# Altium PCB M2FS FLS Data Formatter 8_14_2012.PcbDoc (part 1 of 3) (continued)
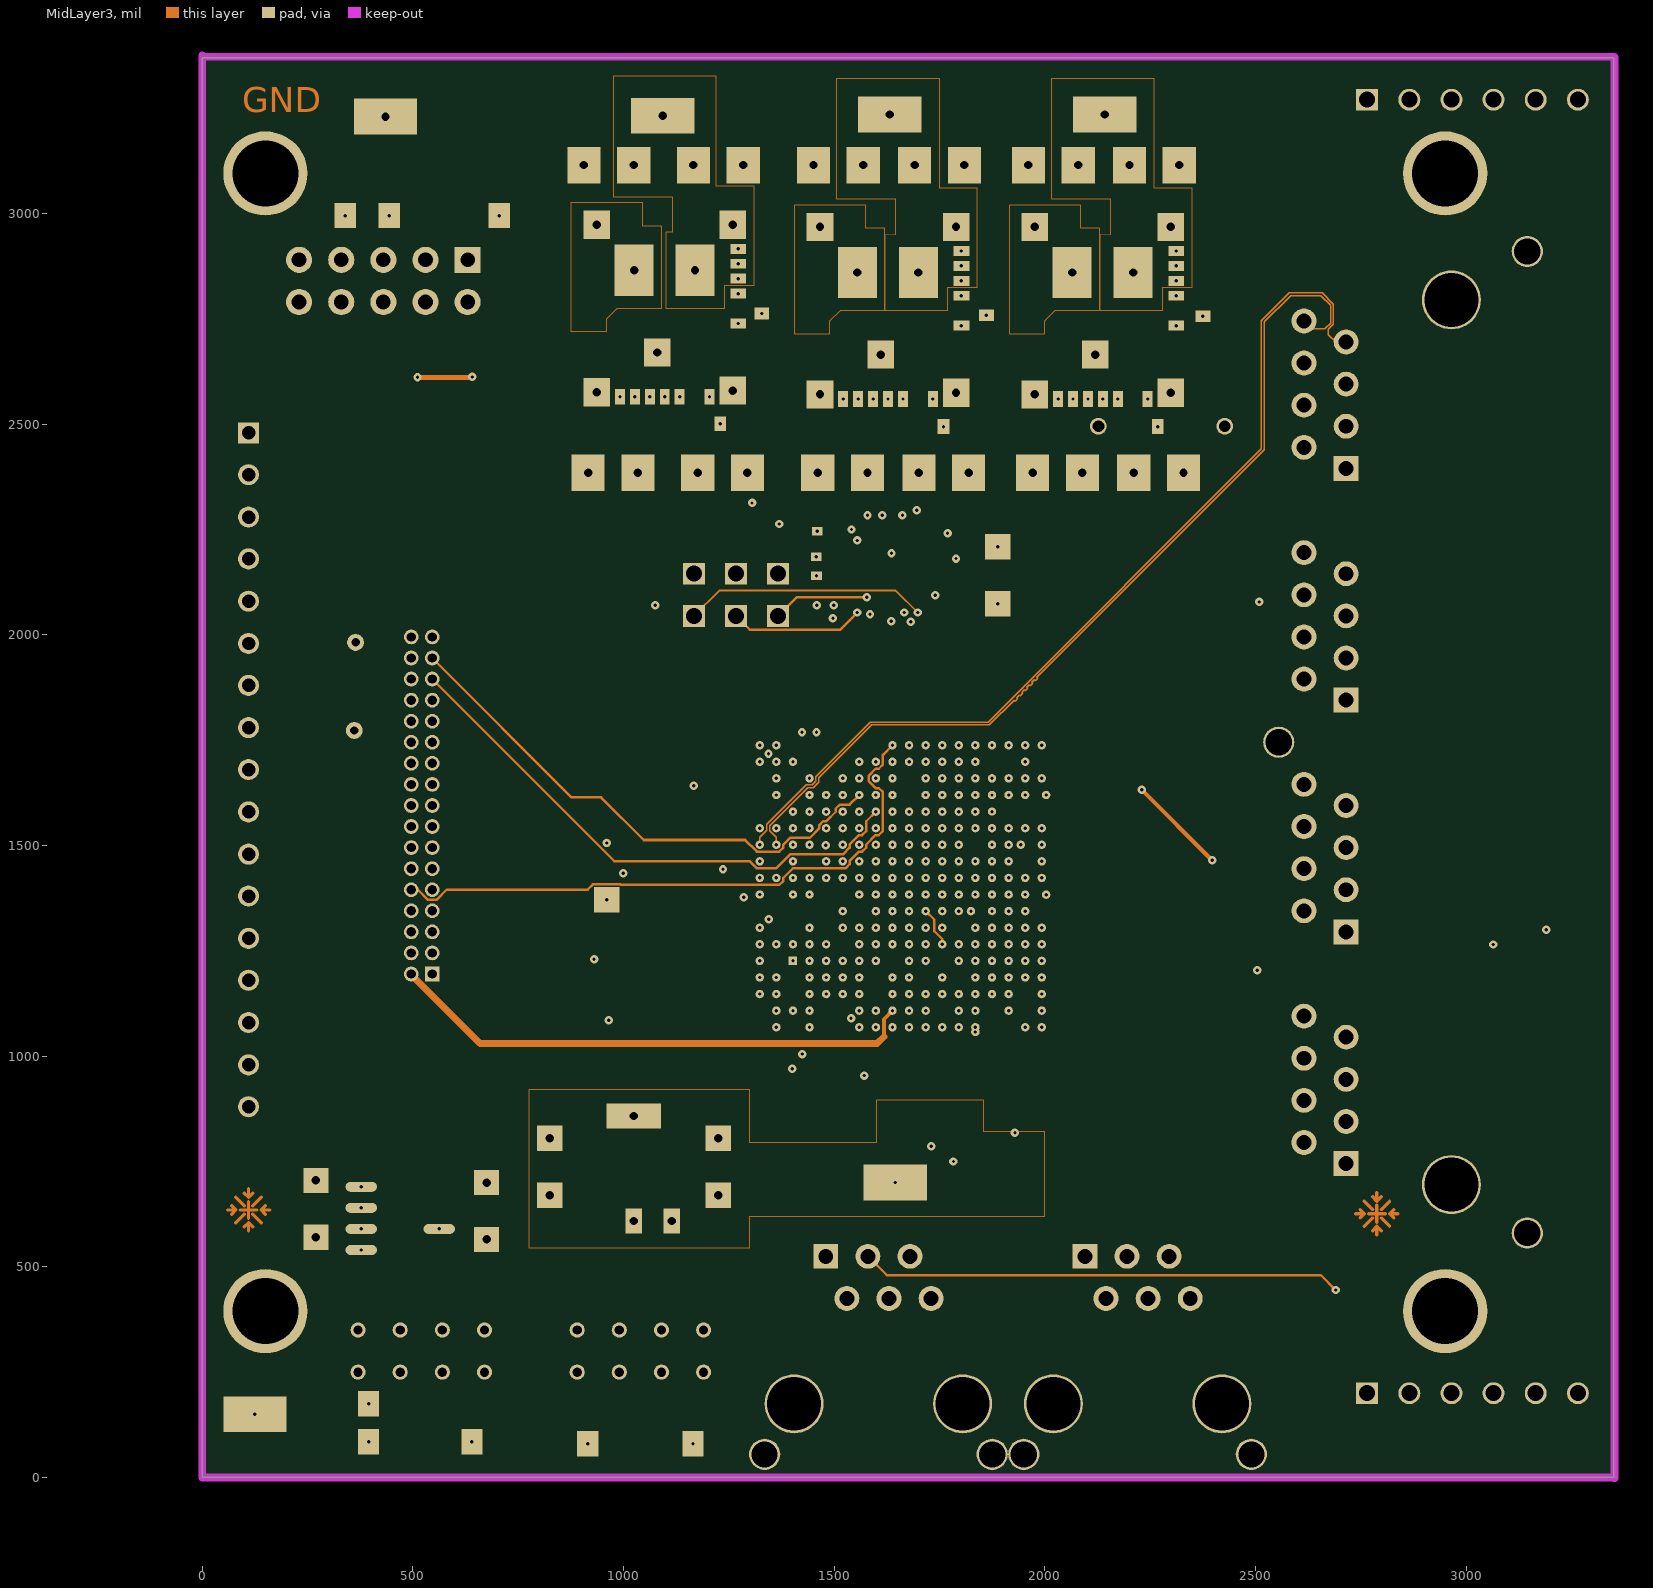
[diagram p5: MidLayer3]
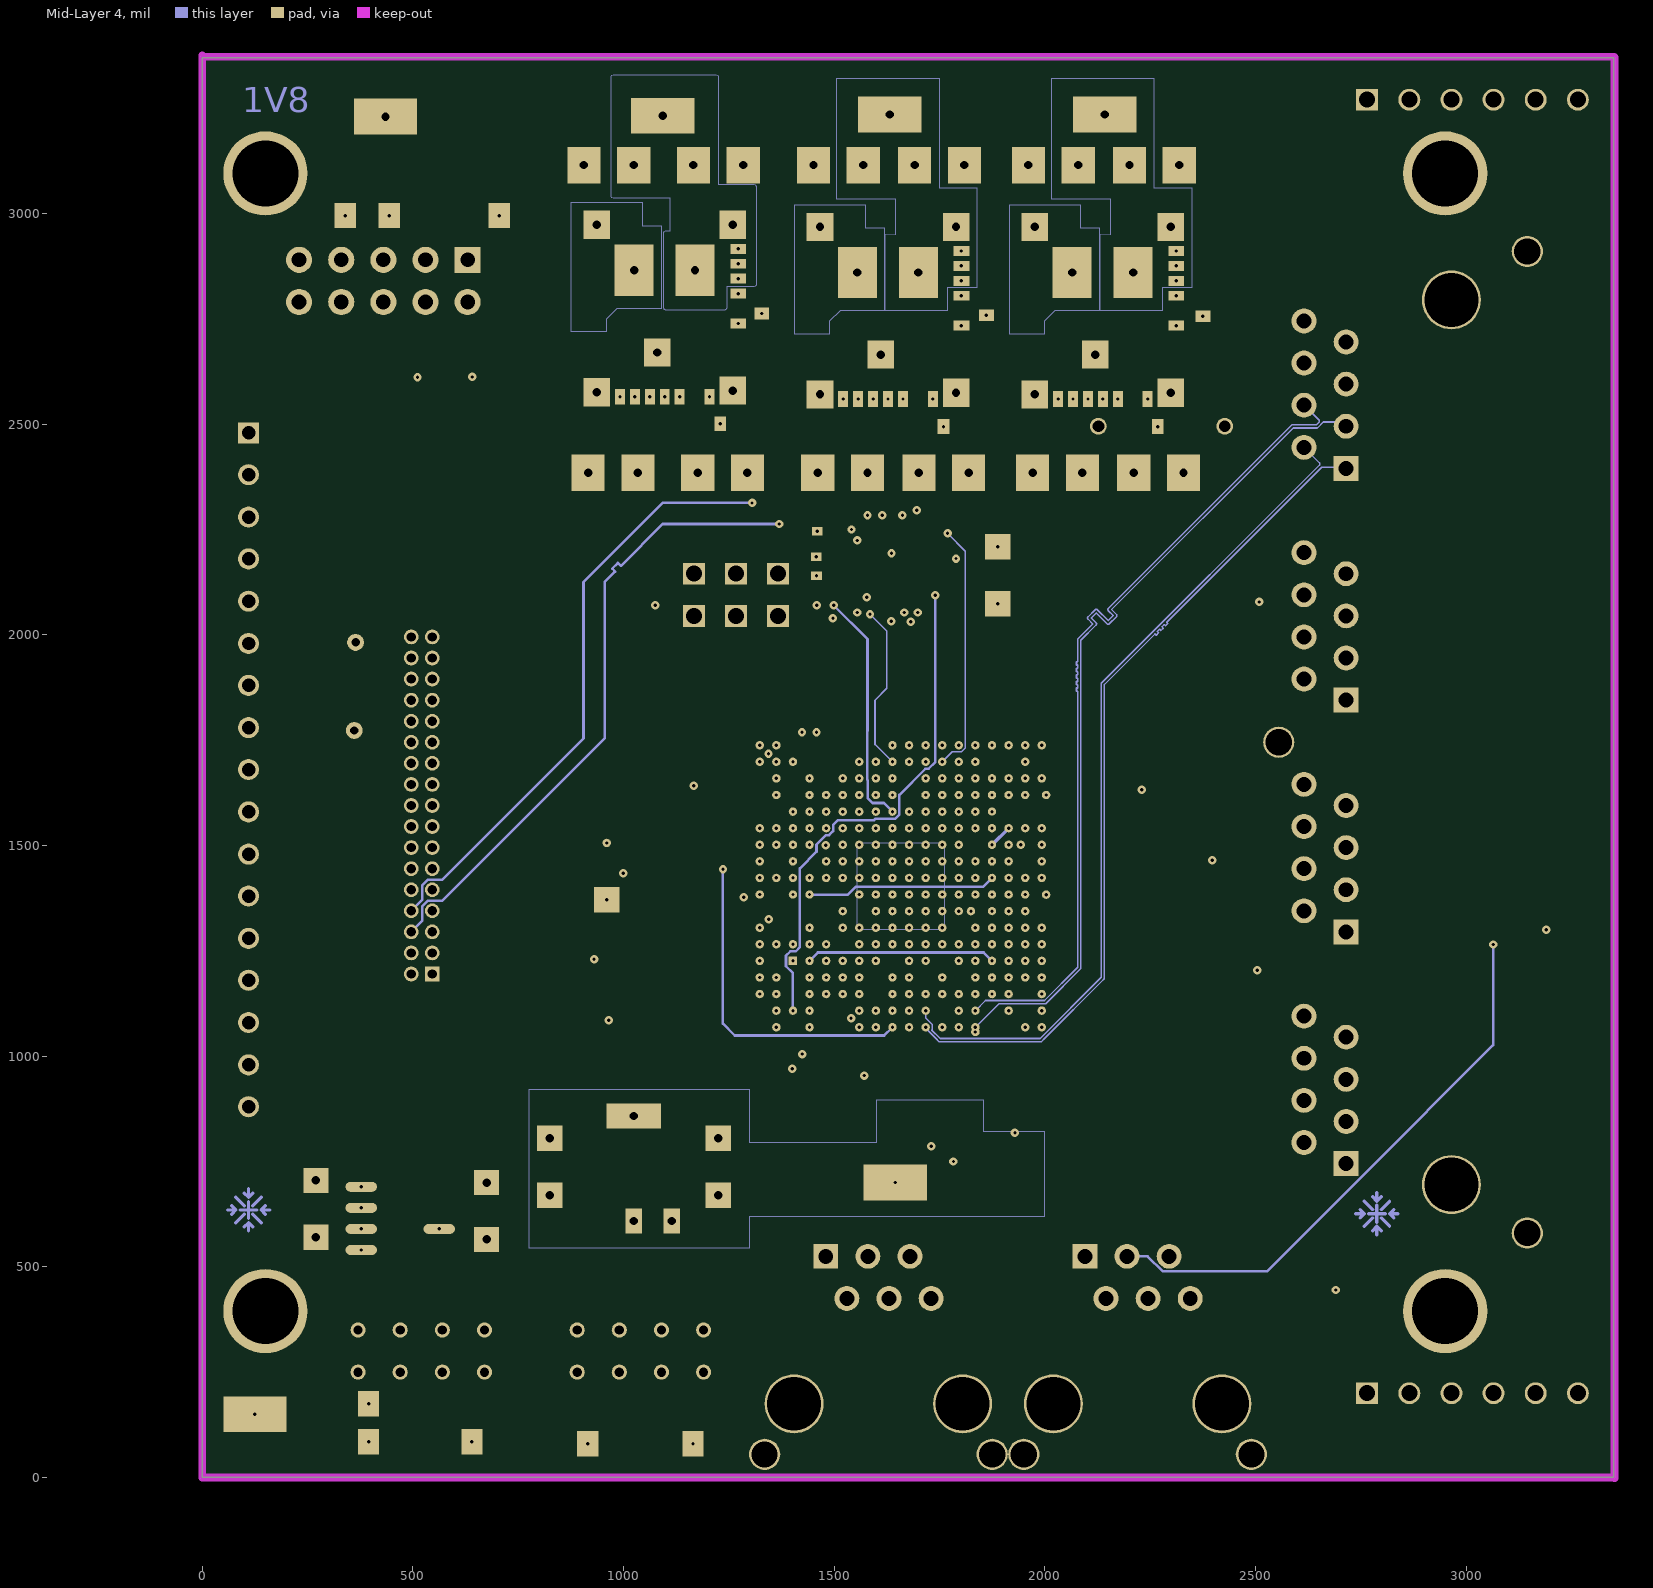
[diagram p6: Mid-Layer 4]
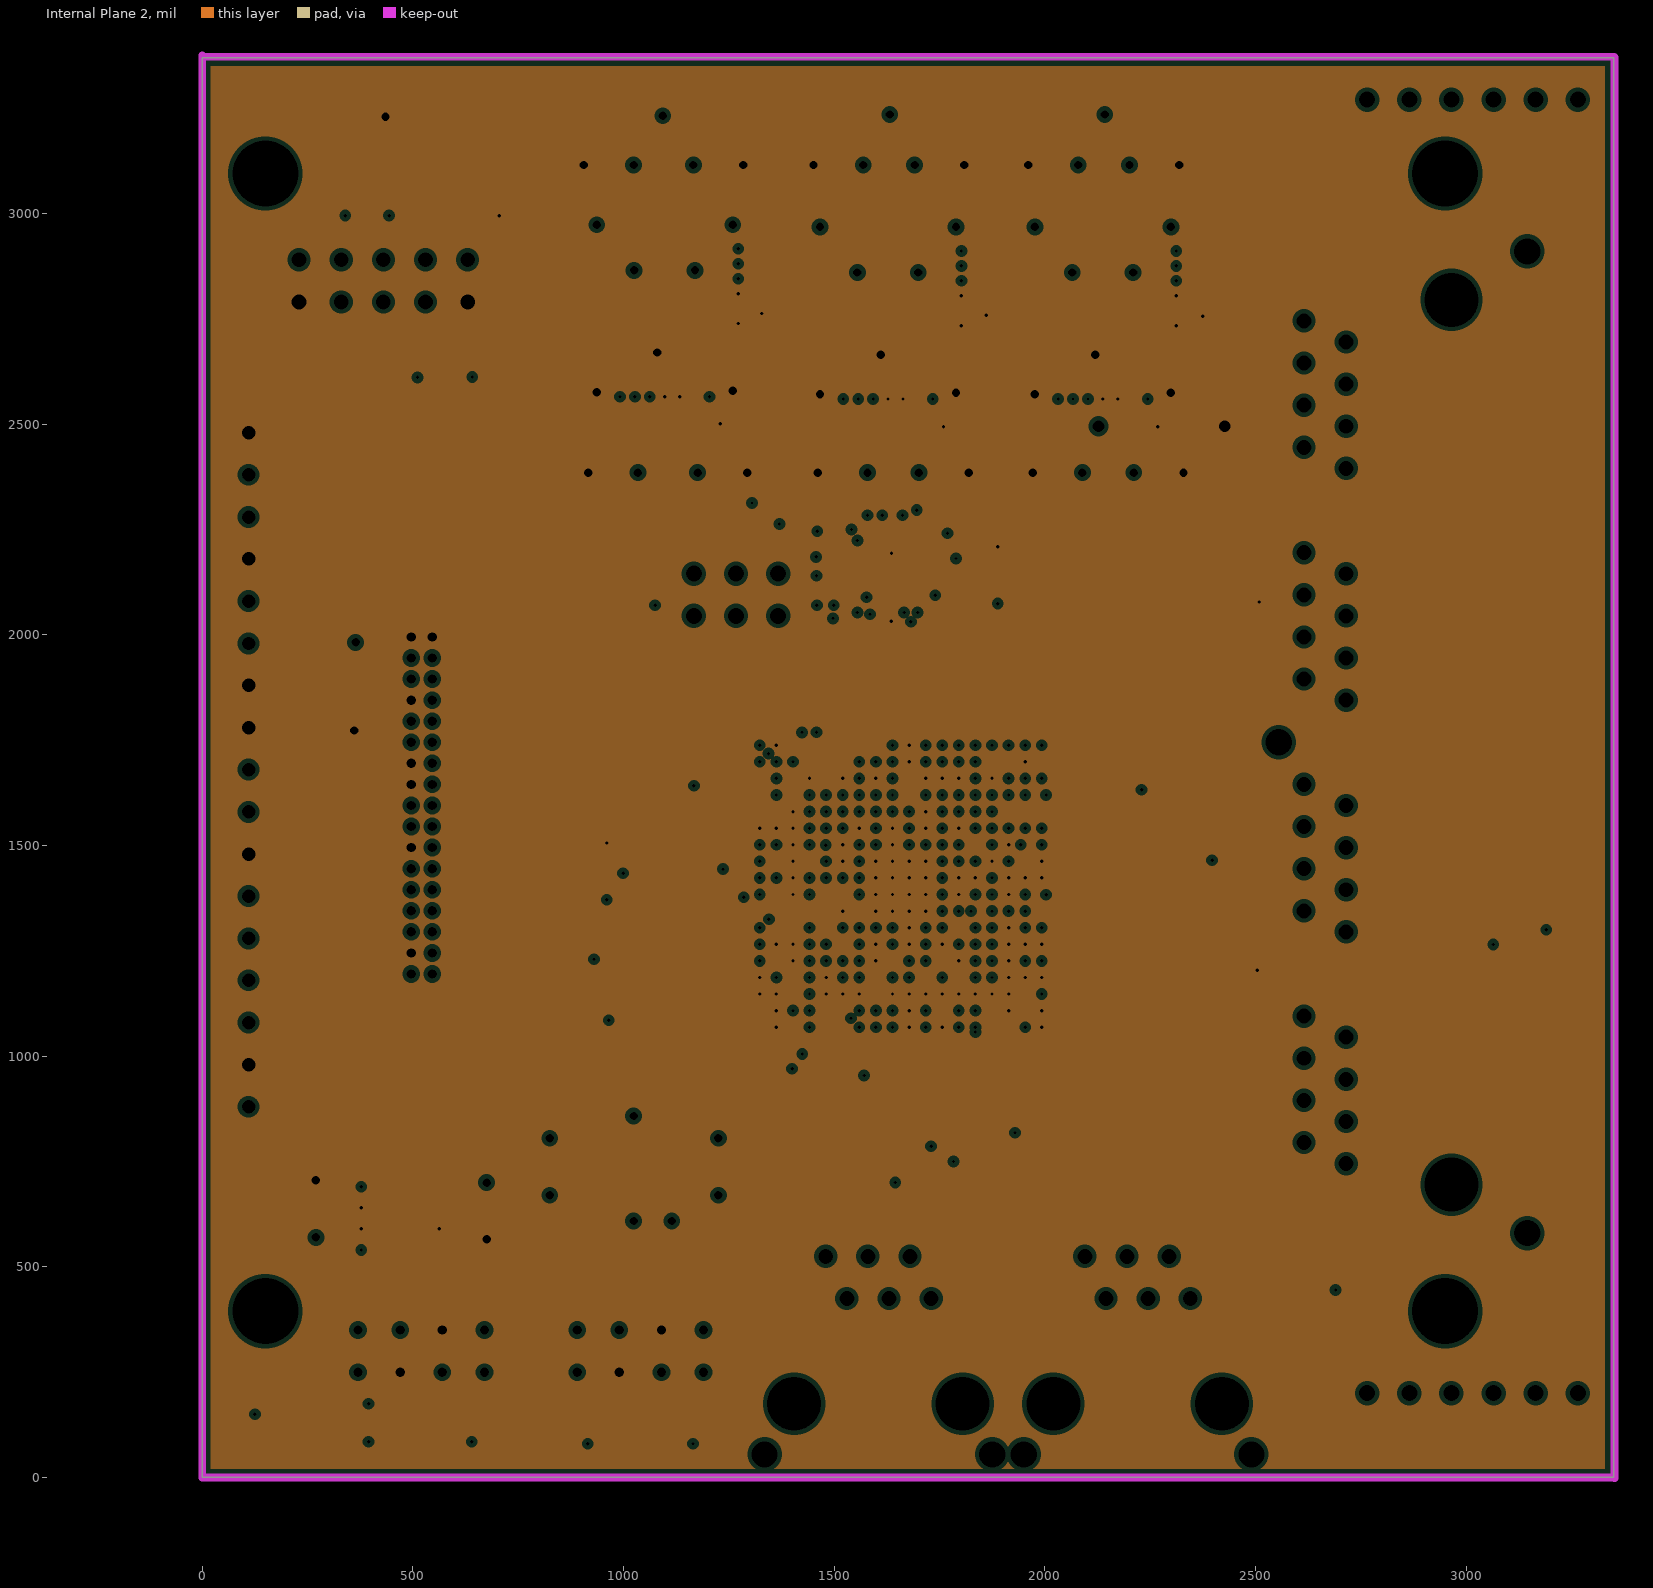
[diagram p7: Internal Plane 2, clearances drawn from the general rule]

## Layer stack, top to bottom
Top Layer: signal copper 1.4
Dielectric: prepreg 5.9, FR-4, Dk 4.2
Internal Plane 1: plane copper 1.4, net 5V0
Dielectric: core 9, FR-4, Dk 4.2
Mid-Layer 1: signal copper 1.4
Dielectric: prepreg 7.3, FR-4, Dk 4.2
Mid-Layer 2: signal copper 1.4
Dielectric: core 5.1, FR-4, Dk 4.2
MidLayer3: signal copper 1.4
Dielectric: prepreg 7.3, FR-4, Dk 4.2
Mid-Layer 4: signal copper 1.4
Dielectric: core 9, FR-4, Dk 4.2
Internal Plane 2: plane copper 1.4, net GND
Dielectric: prepreg 5.9, FR-4, Dk 4.2
Bottom Layer: signal copper 1.4

## Board outline
0,0 3350,0 3350,3370 0,3370

## Design rules (kind name [scope] priority, off if disabled: settings)
AssemblyTestpoint [(IsPad And (OnTopLayer Or OnBottomLayer)) Or (IsVia) Or (IsPad And OnMultiLayer)] p1: testpointundercomponent=TRUE minsize=10 maxsize=100 preferedsize=60 minholesize=0 maxholesize=40 preferedholesize=32 testpointgrid=1 usegrid=TRUE gridtolerance=0.01 allowsidebottom=TRUE
Clearance "Stitching GND" [IsStitchingVia and InNet('GND') vs (IsVia and (Not IsStitchingVia)) Or IsPad] p1: gap=50
Clearance Clearance_1 [OnLayer('Top Layer') or OnLayer('BottomLayer')] p2: gap=4
Clearance [All] p3: gap=3.5
ComponentClearance [All] p1: gap=0 collisioncheckmode=3 verticalgap=0 showdistances=FALSE
DiffPairsRouting [(InDifferentialPairClass('All Differential Pairs'))] p1: maxlimit=10 minlimit=3.5 mostfreqgap=3.5 toplayer_prefgap=4 bottomlayer_prefgap=4 maxuncoupledlength=100
HoleSize [All] p1: absolutevalues=TRUE maxlimit=250 minlimit=1 maxpercent=80.000 minpercent=20.000
HoleToHoleClearance [All] p1: gap=6 allowstackedmicrovias=TRUE
Length All [All] p1: maxlimit=12000 minlimit=0
MatchedLengths MatchedLengths_3 [InNetClass('CAMLINES')] p1: tolerance=10 checknetsindiffpair=TRUE checkdiffpairvsdiffpair=TRUE checkothers=TRUE
MatchedLengths MatchedLengths_2 [InNetClass('Match Lengths 1')] p2: tolerance=10 checknetsindiffpair=TRUE checkdiffpairvsdiffpair=TRUE checkothers=TRUE
MatchedLengths MatchedLengths_1 [InNetClass('Match Lengths') or InDifferentialPairClass('Match Lengths')] p3: tolerance=10 checknetsindiffpair=TRUE checkdiffpairvsdiffpair=TRUE checkothers=TRUE
MatchedLengths [InNetClass('LVDS')] p4: tolerance=500 checknetsindiffpair=TRUE checkdiffpairvsdiffpair=TRUE checkothers=TRUE
MinimumAnnularRing [All] p1: minimumring=3
MinimumSolderMaskSliver [All] p1: minsoldermaskwidth=0.1
PlaneClearance [All] p1: clearance=10
PlaneConnect PlaneConnect_2 [(InNet('GND') AND InComponent('U2') AND HasFootprint('FBGA324'))] p1: planeconnectstyle=Relief reliefexpansion=5 reliefentries=4 reliefconductorwidth=10 reliefairgap=5
PlaneConnect PlaneConnect_1 [(InNet('5V0') AND HasFootprint('CON34_.05X.05'))] p2: planeconnectstyle=Relief reliefexpansion=5 reliefentries=4 reliefconductorwidth=10 reliefairgap=5
PlaneConnect [All] p3: planeconnectstyle=Relief reliefexpansion=5 reliefentries=4 reliefconductorwidth=10 reliefairgap=5
PolygonConnect [All] p1: connectstyle=Relief reliefconductorwidth=5 reliefentries=4 polygonreliefangle="90 Angle" airgapwidth=5
RoutingVias [All] p1: holewidth=8 width=20 viastyle="Through Hole" minholewidth=8 minwidth=20 maxholewidth=40 maxwidth=60
SilkToSilkClearance [All] p1: silktosilkclearance=1
SilkscreenOverComponentPads [All] p1: minsilkscreentomaskgap=1
SolderMaskExpansion SolderMaskExpansion_1 [All] p1: expansion=4
Width "Differential Width" [InDifferentialPairClass('All Differential Pairs')] p1: maxlimit=16.48 minlimit=3.5 preferedwidth=3.83 toplayer_minwidth=4 toplayer_maxwidth=7.94 toplayer_prefwidth=4.55 midlayer1_maxwidth=9.9 midlayer2_prefwidth=3.5 midlayer3_prefwidth=3.5 midlayer4_maxwidth=9.9 bottomlayer_minwidth=4 bottomlayer_maxwidth=7.94 bottomlayer_prefwidth=4.55 minimp=50.000000 maximp=80.000000 favimp=50.000000
Width Width_All [All] p2: maxlimit=60 minlimit=3.5 preferedwidth=6 toplayer_minwidth=4 bottomlayer_minwidth=4 minimp=50.000000 maximp=50.000000 favimp=50.000000
Width "Width Power" [All] p3: maxlimit=50 minlimit=6 preferedwidth=50
18 further rules are at their usual default settings.

## Classes and differential pairs
net class CAMLINES: CAM_D0 CAM_D1 CAM_D2 CAM_D3 CAM_D4 CAM_D5 CAM_D6 CAM_D7 CAM_D8 CAM_D9 CAM_D10 CAM_D11 CAM_PCLK
differential pair class "Match Lengths": DATA_CLK_OUT_A DATA_CLK_OUT_B FRAME_CLK_OUT_A FRAME_CLK_OUT_B LVDS_CHANNEL_1 LVDS_CHANNEL_2 LVDS_CHANNEL_3 LVDS_CHANNEL_4 LVDS_CHANNEL_5 LVDS_CHANNEL_6 LVDS_CHANNEL_7 LVDS_CHANNEL_8
net class "Match Lengths 1": SYS_CLK1_N SYS_CLK1_P SYS_CLK2_N SYS_CLK2_P
net class "Match Lengths": DATA_CLK_OUT_A_N DATA_CLK_OUT_A_P DATA_CLK_OUT_B_N DATA_CLK_OUT_B_P FRAME_CLK_OUT_A_N FRAME_CLK_OUT_A_P FRAME_CLK_OUT_B_N FRAME_CLK_OUT_B_P LVDS_CHANNEL_1_N LVDS_CHANNEL_1_P LVDS_CHANNEL_2_N LVDS_CHANNEL_2_P LVDS_CHANNEL_3_N LVDS_CHANNEL_3_P LVDS_CHANNEL_4_N LVDS_CHANNEL_4_P LVDS_CHANNEL_5_N LVDS_CHANNEL_5_P LVDS_CHANNEL_6_N LVDS_CHANNEL_6_P LVDS_CHANNEL_7_N LVDS_CHANNEL_7_P LVDS_CHANNEL_8_N LVDS_CHANNEL_8_P
component class "Power Supply": C1 C2 C3 C4 C5 C6 C7 C8 C9 C10 C11 C12 C59 C60 C61 C62 R1 R2 R3 R4 R5 R6 R7 U1 U3 U4 U6 U7
component class "M2FS FLS Data Formatter 8_14_2012": C13 C14 C15 C16 C17 C18 C19 C20 C21 C22 C23 C24 C25 C26 C27 C28 C29 C30 C31 C32 C33 C34 C35 C36 C37 C38 C39 C40 C41 C42 C43 C44 C45 C46 C47 C48 C49 C50 C51 C52 C53 C54 C55 C56 J1 J2 J3 J4 J5 L1 L2 logo1 logo2 logo3 logo4 P1 P2 Q1 Q2 R8 R9 R10 R11 R12 R13 R14 R15 R16 R17 R18 R19 R20 R21 R22 R23 R24 R25 R26 R27 R30 R31 R32 R33 R34 "TEST POINT 1" "TEST POINT 2" "TEST POINT 3" "TEST POINT 5" "TEST POINT 6" "TEST POINT 7" "TEST POINT 9" "TEST POINT 10" "TEST POINT 12" "TEST POINT 13" "TEST POINT 14" TP1 TP5 TP6 TP7 TP8 TP9 TP10 TP11 TP12 U2 U5
net class LVDS: DATA_CLK_OUT_A_N DATA_CLK_OUT_A_P DATA_CLK_OUT_B_N DATA_CLK_OUT_B_P FRAME_CLK_OUT_A_N FRAME_CLK_OUT_A_P FRAME_CLK_OUT_B_N FRAME_CLK_OUT_B_P LVDS_CHANNEL_1_N LVDS_CHANNEL_1_P LVDS_CHANNEL_2_N LVDS_CHANNEL_2_P LVDS_CHANNEL_3_N LVDS_CHANNEL_3_P LVDS_CHANNEL_4_N LVDS_CHANNEL_4_P LVDS_CHANNEL_5_N LVDS_CHANNEL_5_P LVDS_CHANNEL_6_N LVDS_CHANNEL_6_P LVDS_CHANNEL_7_N LVDS_CHANNEL_7_P LVDS_CHANNEL_8_N LVDS_CHANNEL_8_P START_A_N START_A_P START_B_N START_B_P SYS_CLK1_N SYS_CLK1_P SYS_CLK2_N SYS_CLK2_P
differential pair LVDS_CHANNEL_8: +LVDS_CHANNEL_8_P -LVDS_CHANNEL_8_N
differential pair LVDS_CHANNEL_7: +LVDS_CHANNEL_7_P -LVDS_CHANNEL_7_N
differential pair LVDS_CHANNEL_6: +LVDS_CHANNEL_6_P -LVDS_CHANNEL_6_N
differential pair LVDS_CHANNEL_5: +LVDS_CHANNEL_5_P -LVDS_CHANNEL_5_N
differential pair LVDS_CHANNEL_4: +LVDS_CHANNEL_4_P -LVDS_CHANNEL_4_N
differential pair LVDS_CHANNEL_3: +LVDS_CHANNEL_3_P -LVDS_CHANNEL_3_N
differential pair LVDS_CHANNEL_2: +LVDS_CHANNEL_2_P -LVDS_CHANNEL_2_N
differential pair LVDS_CHANNEL_1: +LVDS_CHANNEL_1_P -LVDS_CHANNEL_1_N
differential pair SYS_CLK2: +SYS_CLK2_P -SYS_CLK2_N
differential pair SYS_CLK1: +SYS_CLK1_P -SYS_CLK1_N
differential pair DATA_CLK_OUT_A: +DATA_CLK_OUT_A_P -DATA_CLK_OUT_A_N
differential pair DATA_CLK_OUT_B: +DATA_CLK_OUT_B_P -DATA_CLK_OUT_B_N
differential pair FRAME_CLK_OUT_A: +FRAME_CLK_OUT_A_P -FRAME_CLK_OUT_A_N
differential pair FRAME_CLK_OUT_B: +FRAME_CLK_OUT_B_P -FRAME_CLK_OUT_B_N
differential pair START_A: +START_A_P -START_A_N
differential pair START_B: +START_B_P -START_B_N

## Components (designator, comment, footprint, x,y, rotation, side; value= is the part's Value field where it differs from the comment)
C1 "100 uF" TC3528-1411 1225,3115 r0 top locked
C2 "100 uF" TC3528-1411 1750,3115 r0 top locked
C3 "100 uF" TC3528-1411 2260,3115 r0 top locked
C4 "47 uF" TC3528-1411 965,3115 r180 top locked
C5 "47 uF" TC3528-1411 1510,3115 r180 top locked
C6 "47 uF" TC3528-1411 2020,3115 r180 top locked
C7 "220uF" TC3528-1411 1235,2385 r0 top locked
C8 "220uF" TC3528-1411 1760,2385 r0 top locked
C9 "220uF" TC3528-1411 2270,2385 r0 top locked
C10 "47uF" TC3528-1411 975,2385 r180 top locked
C11 "47 uF" TC3528-1411 1520,2385 r180 top locked
C12 "47 uF" TC3528-1411 2030,2385 r180 top locked
C13 "100uF" 1206#1 1888,2209 r270 bottom locked
C14 "0.1uF" "0402 SLIM"#1 1874.54,1619.85 r90 bottom locked
C15 "0.1uF" "0402 SLIM"#1 1795.8,1619.85 r90 bottom locked
C16 "0.1uF" "0402 slim-B" 1717.06,1619.85 r90 bottom locked
C17 "0.1uF" "0402 SLIM"#1 1598.95,1619.85 r90 bottom locked
C18 "0.1uF" "0402 slim-B" 1520.2,1619.85 r90 bottom locked
C19 "0.1uF" "0402 SLIM"#1 1441.46,1619.85 r90 bottom locked
C20 "0.1uF" "0402 slim-B" 1874.54,1580.48 r0 bottom locked
C21 "0.1uF" "0402 SLIM"#1 1717.06,1501.74 r90 bottom locked
C22 "100uF" 1206#2 960,1506 r270 bottom locked
C23 "0.1uF" "0402 slim-B" 1677.69,1541.11 r180 bottom locked
C24 "0.1uF" "0402 SLIM"#1 1520.2,1541.11 r0 bottom locked
C25 "0.1uF" "0402 SLIM"#1 1441.46,1541.11 r180 bottom locked
C26 "0.1uF" "0402 SLIM"#1 1835.17,1541.11 r0 bottom locked
C27 "0.1uF" "0402 SLIM"#1 1677.69,1501.74 r180 bottom locked
C28 "0.1uF" "0402 slim-B" 1559.57,1501.74 r180 bottom locked
C29 "0.1uF" "0402 SLIM"#1 1441.46,1501.74 r180 bottom locked
C30 "0.1uF" "0402 slim-B" 1559.57,1462.37 r180 bottom locked
C31 "0.1uF" "0402 slim"#1 1924.54,1423 r180 bottom locked
C32 "0.1uF" "0402 slim-B" 1756.43,1423 r180 bottom locked
C33 "0.1uF" "0402 slim-B" 1559.57,1423 r0 bottom locked
C34 "0.1uF" "0402 SLIM"#1 1441.46,1423 r180 bottom locked
C35 "0.1uF" "0402 slim"#1 1863.91,1383.63 r0 bottom locked
C36 "0.1uF" "0402 SLIM"#1 1756.43,1383.63 r180 bottom locked
C37 "0.1uF" "0402 slim-B" 1559.57,1383.63 r0 bottom locked
C38 "0.1uF" "0402 SLIM"#1 1441.46,1383.63 r180 bottom locked
C39 "0.1uF" "0402 SLIM"#2 1638.32,1304.89 r90 bottom locked
C40 "0.1uF" "0402 slim-B" 1598.95,1304.89 r90 bottom locked
C41 "0.1uF" "0402 SLIM"#1 1520.2,1304.89 r90 bottom locked
C42 "0.1uF" "0402 SLIM"#1 1756.43,1344.26 r180 bottom locked
C43 "0.1uF" "0402 SLIM"#1 1441.46,1304.89 r180 bottom locked
C44 "0.1uF" "0402 SLIM"#3 1717.06,1304.89 r180 bottom locked
C45 "0.1uF" "0402 slim-B" 1756.43,1304.89 r270 bottom locked
C46 "0.1uF" "0402 SLIM"#1 1638.32,1265.52 r180 bottom locked
C47 "0.1uF" "0402 SLIM"#1 1441.46,1265.52 r180 bottom locked
C48 "0.1uF" "0402 SLIM"#1 1480.83,1265.52 r270 bottom locked
C49 "0.1uF" "0402 SLIM"#1 1835.17,1186.78 r135 bottom locked
C50 "0.1uF" "0402 SLIM"#4 1441.46,1226.15 r180 bottom locked
C51 "0.1uF" "0402 SLIM"#5 1874.54,1147.41 r90 bottom locked
C52 "0.1uF" "0402 SLIM"#1 1756.43,1186.78 r270 bottom locked
C53 "0.1uF" "0402 SLIM"#1 1677.69,1186.78 r270 bottom locked
C54 "0.1uF" "0402 SLIM"#1 1638.32,1186.78 r270 bottom locked
C55 "0.1uF" "0402 SLIM"#1 1559.57,1186.78 r270 bottom locked
C56 "0.1uF" "0402 SLIM"#1 1520.2,1186.78 r270 bottom locked
C59 "10uF" 1206#3 1225,670 r90 bottom locked
C60 "10uF" 1206#3 825,670 r90 bottom locked
C61 "10uF" 1206#3 270,570 r90 bottom locked
C62 "10uF" 1206#3 675,700 r270 bottom locked
J1 "RJ45 - JACK L" "5558503-1 Quad RJ45 Jack" 3390,505 r0 top locked
J2 "RJ-11 SINGLE" "RJ11 - 5555140-1" 1335,55 r0 top locked
J3 "RJ-11 SINGLE" "RJ11 - 5555140-1" 1950,55 r0 top locked
J4 "AVAGO" HFBR-2412Z 270,500 r270 top locked
J5 "AVAGO" HFBR-2412Z 790,500 r270 top locked
L1 "Inductor" 0805#1 1693,847.31 r0 top locked
L2 "Inductor" 0805#1 1459,846.31 r0 top locked
logo1 "logo" STARFLAKE 2788,626 r270 top locked
logo2 "logo" STARFLAKE 110,635 r0 top locked
logo3 "logo" STARFLAKE 2788,626 r90 bottom locked
logo4 "logo" STARFLAKE 110,635 r180 bottom locked
P1 "HEADER 5X2" HDR2X5 630,2890 r180 top locked
P2 "CAM_PORT" CON34_.05X.05 546,1195 r180 top locked
Q1 "BSN20" SOT23 1040,125 r180 bottom locked
Q2 "BSN20" SOT23 515,125 r180 bottom locked
R1 "715K" J1-0603 1328,2733 r90 top locked
R2 "348K" J1-0603 1861,2729 r90 top locked
R3 "348K" J1-0603 2375,2727 r90 top locked
R4 "2.87K" J1-0603 1200,2501 r0 top locked
R5 "673" "RES 0.3 x 0.025" 2427,2495 r180 top locked
R6 "1.15K" J1-0603 1730,2494 r0 top locked
R7 "673" J1-0603 2238,2494 r0 top locked
R8 "10K" "0402 SLIM"#6 1508,2140 r180 top locked
R9 "10K" "0402 SLIM"#7 1457,2185 r0 top locked
R10 "10K" 6-0805 668,2995 r180 bottom locked
R11 "10K" 6-0805 481,2995 r0 bottom locked
R12 "10K" 6-0805 302,2995 r180 bottom locked
R13 "100" "0402 SLIM"#8 2003,1619.85 r180 bottom locked
R14 "100" "0402 SLIM"#9 1992.65,1501.74 r180 bottom locked
R15 "100" "0402 SLIM"#1 1835.17,1462.37 r180 bottom locked
R16 "100" "0402 SLIM"#10 2003,1383.31 r180 bottom locked
R17 "100" "0402 one-of" 1953.28,1304.89 r135 bottom locked
R18 "100" "0402 SLIM"#11 2003.3,1344.31 r180 bottom locked
R19 "100" "0402 SLIM"#9 1874.54,1344.26 r180 bottom locked
R20 "100" "0402 SLIM"#11 1796,1294.31 r90 bottom locked
R21 "100" "0402 SLIM"#1 1717.06,1226.15 r180 bottom locked
R22 "100" "0402 SLIM"#11 1795.8,1057.31 r90 bottom locked
R23 "100" "0402 SLIM"#8 1835.16,1057.31 r90 bottom locked